# Altium PCB RobotCtrl_Base_Func.PcbDoc
Units mil, origin at the board's own origin, x right, y up, seen from the top; angles counter-clockwise.
Board outline 3937.01 x 3937.01 mil, 4 copper layers (Top Layer, GND1, GND2, Bottom Layer), stack 23.756 mil thick; 88 components, 151 nets, 416 pads, 115 vias.
Unrouted connection lines stored in the file: 1.
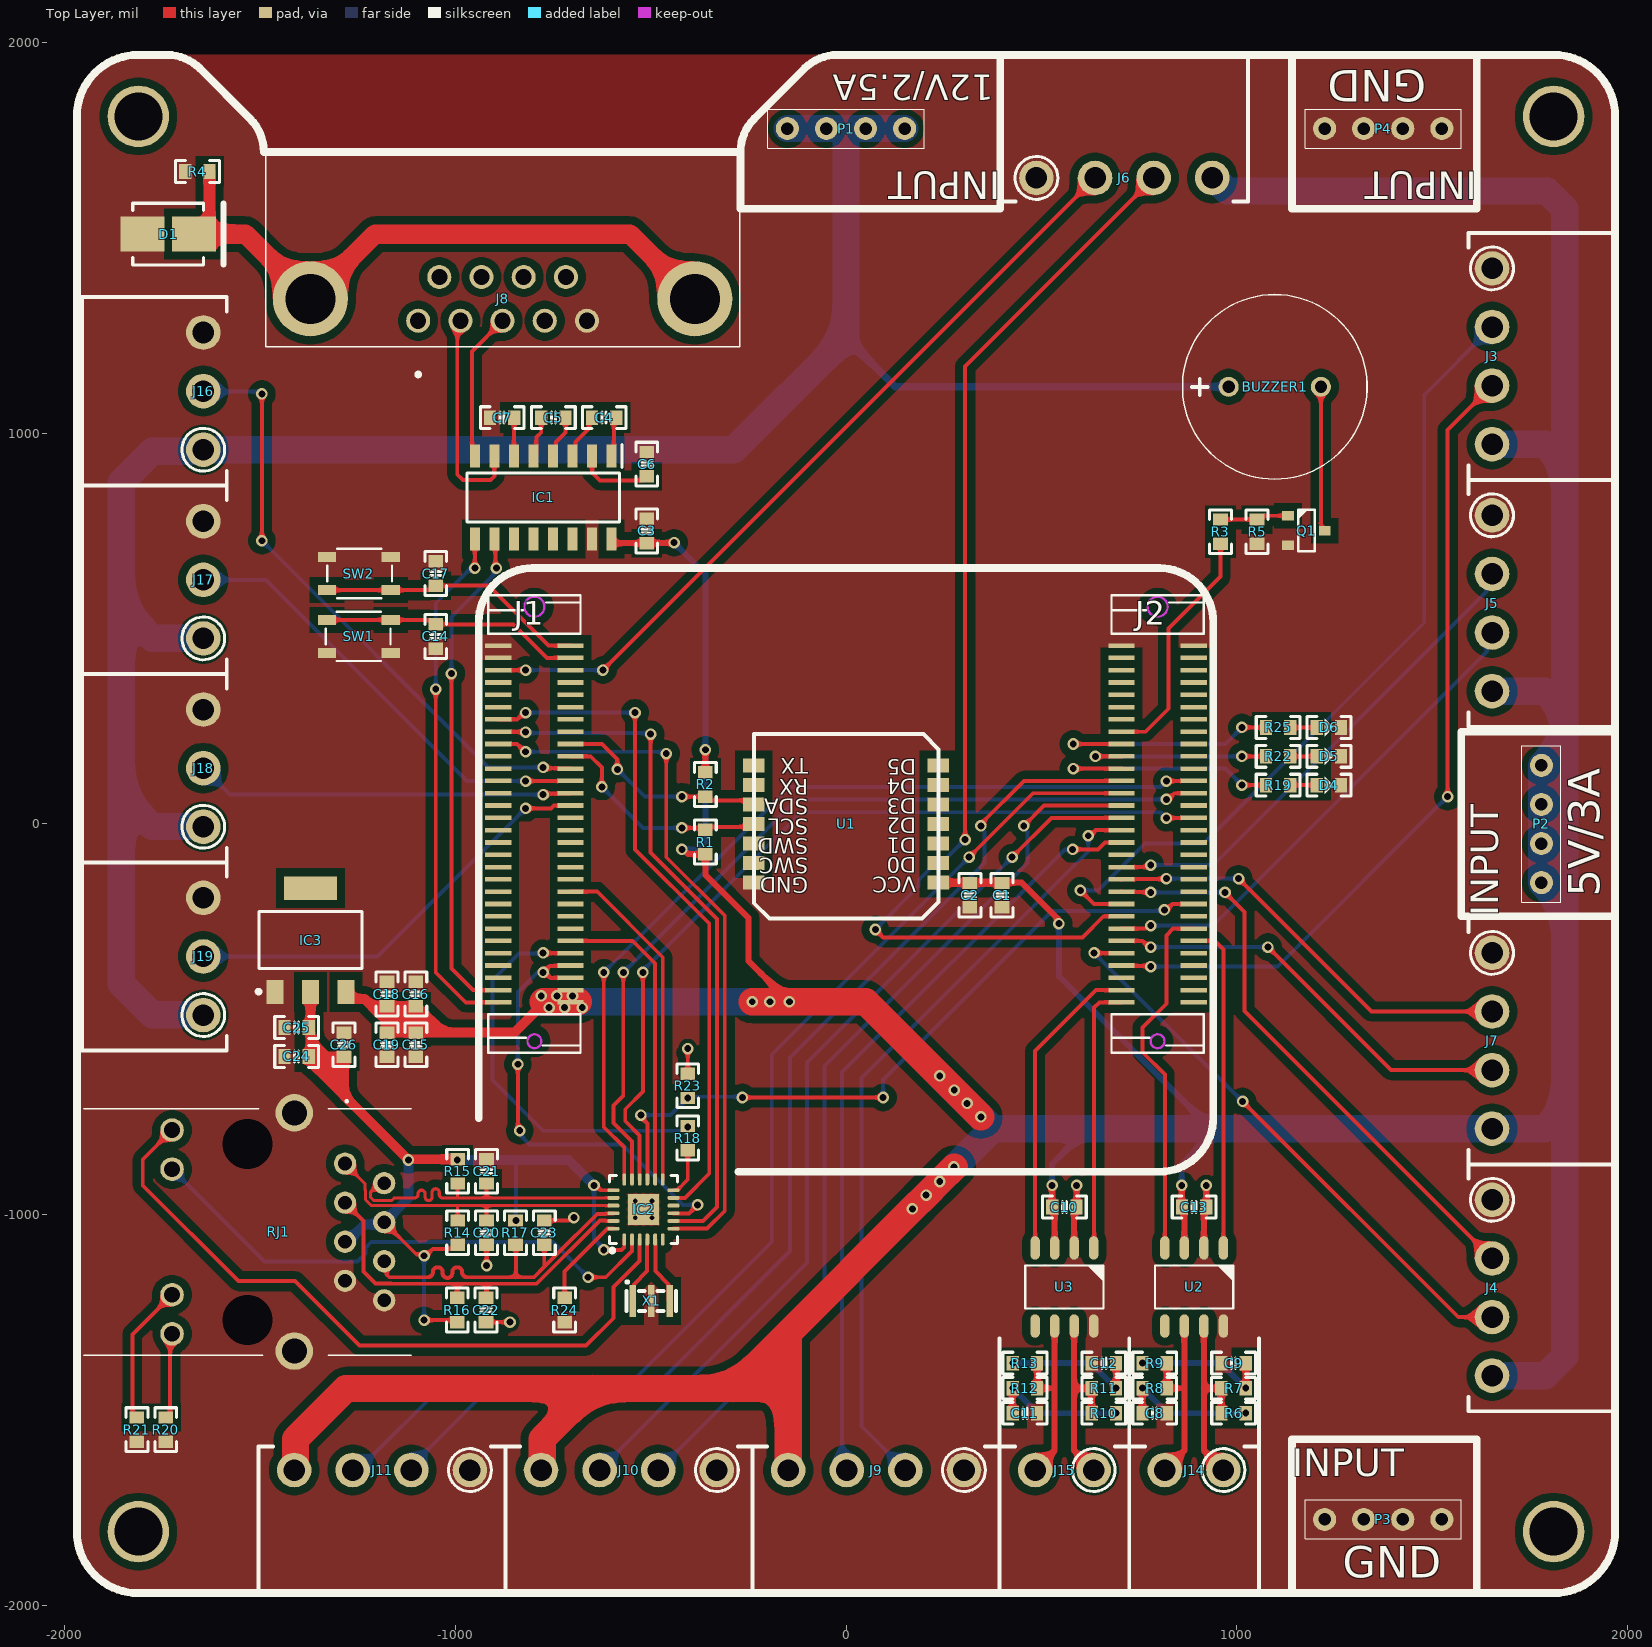
[diagram p0: Top Layer view]
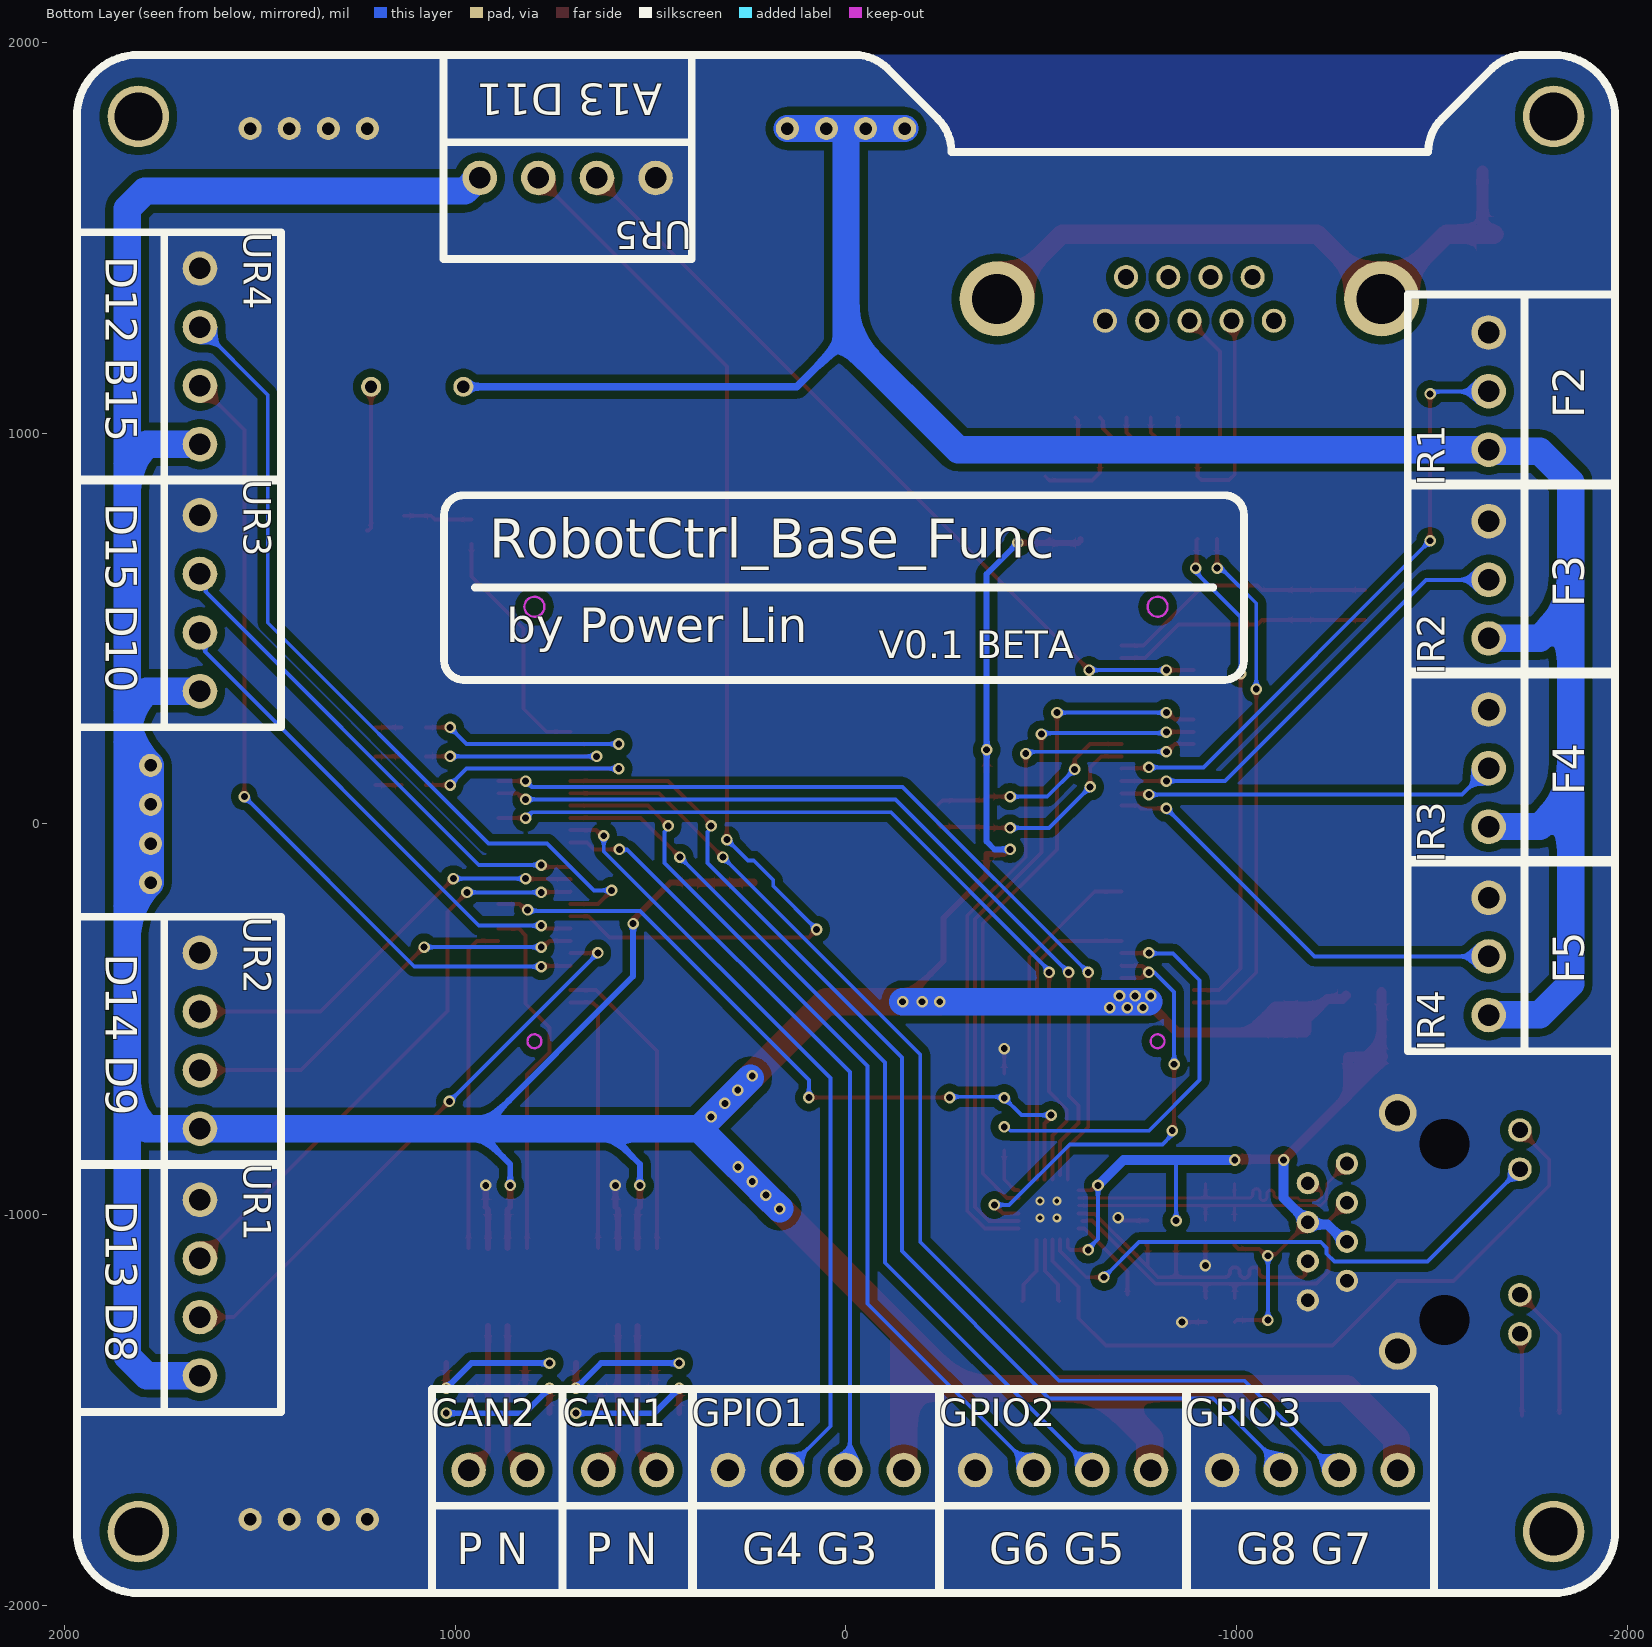
[diagram p1: Bottom Layer view, seen from below]
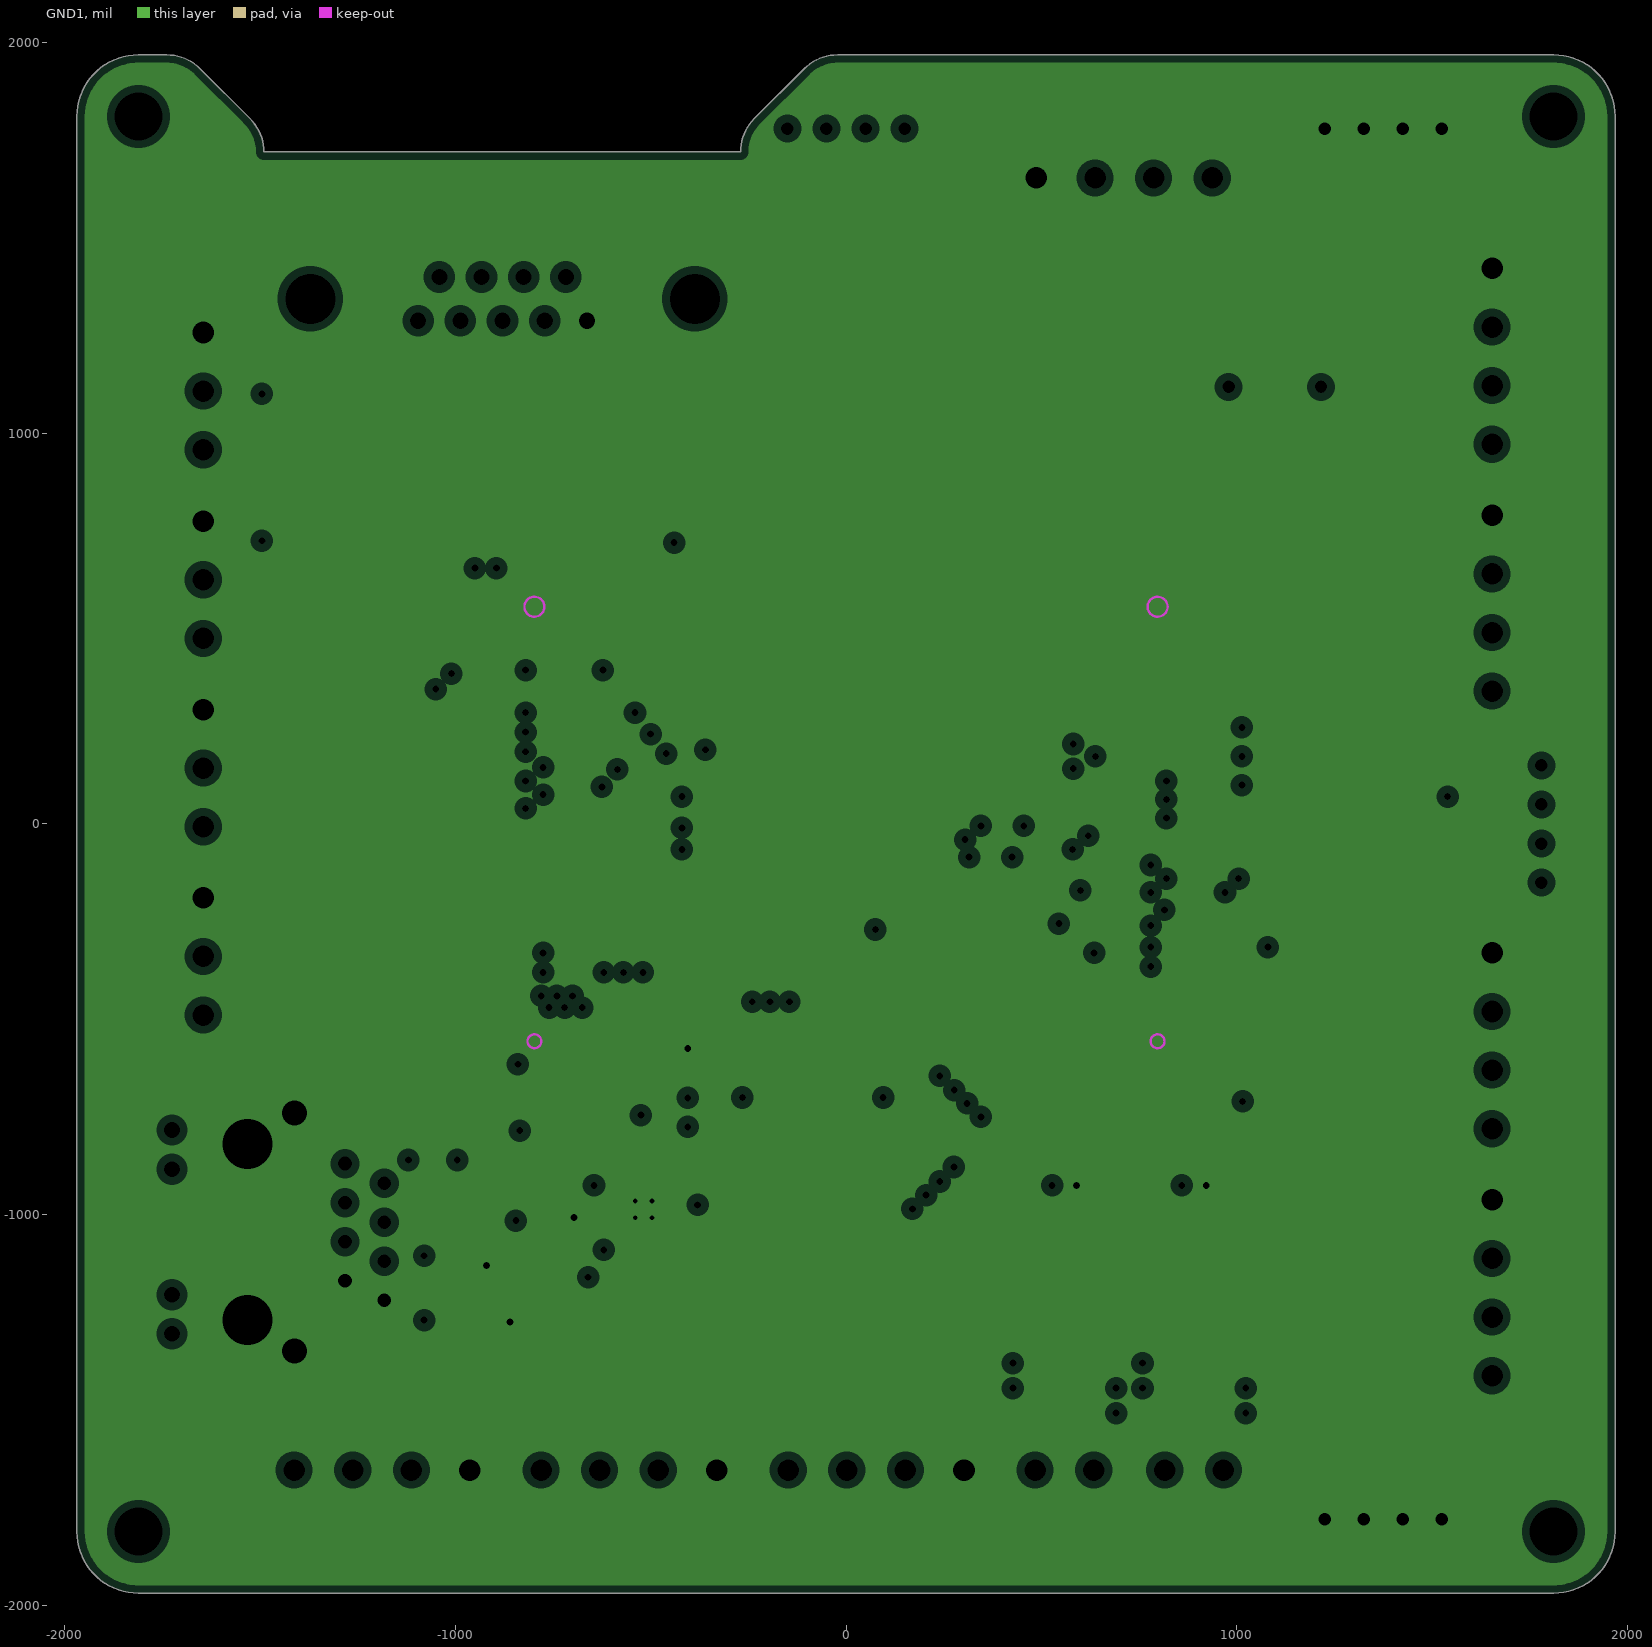
[diagram p2: GND1, clearances drawn from the general rule]
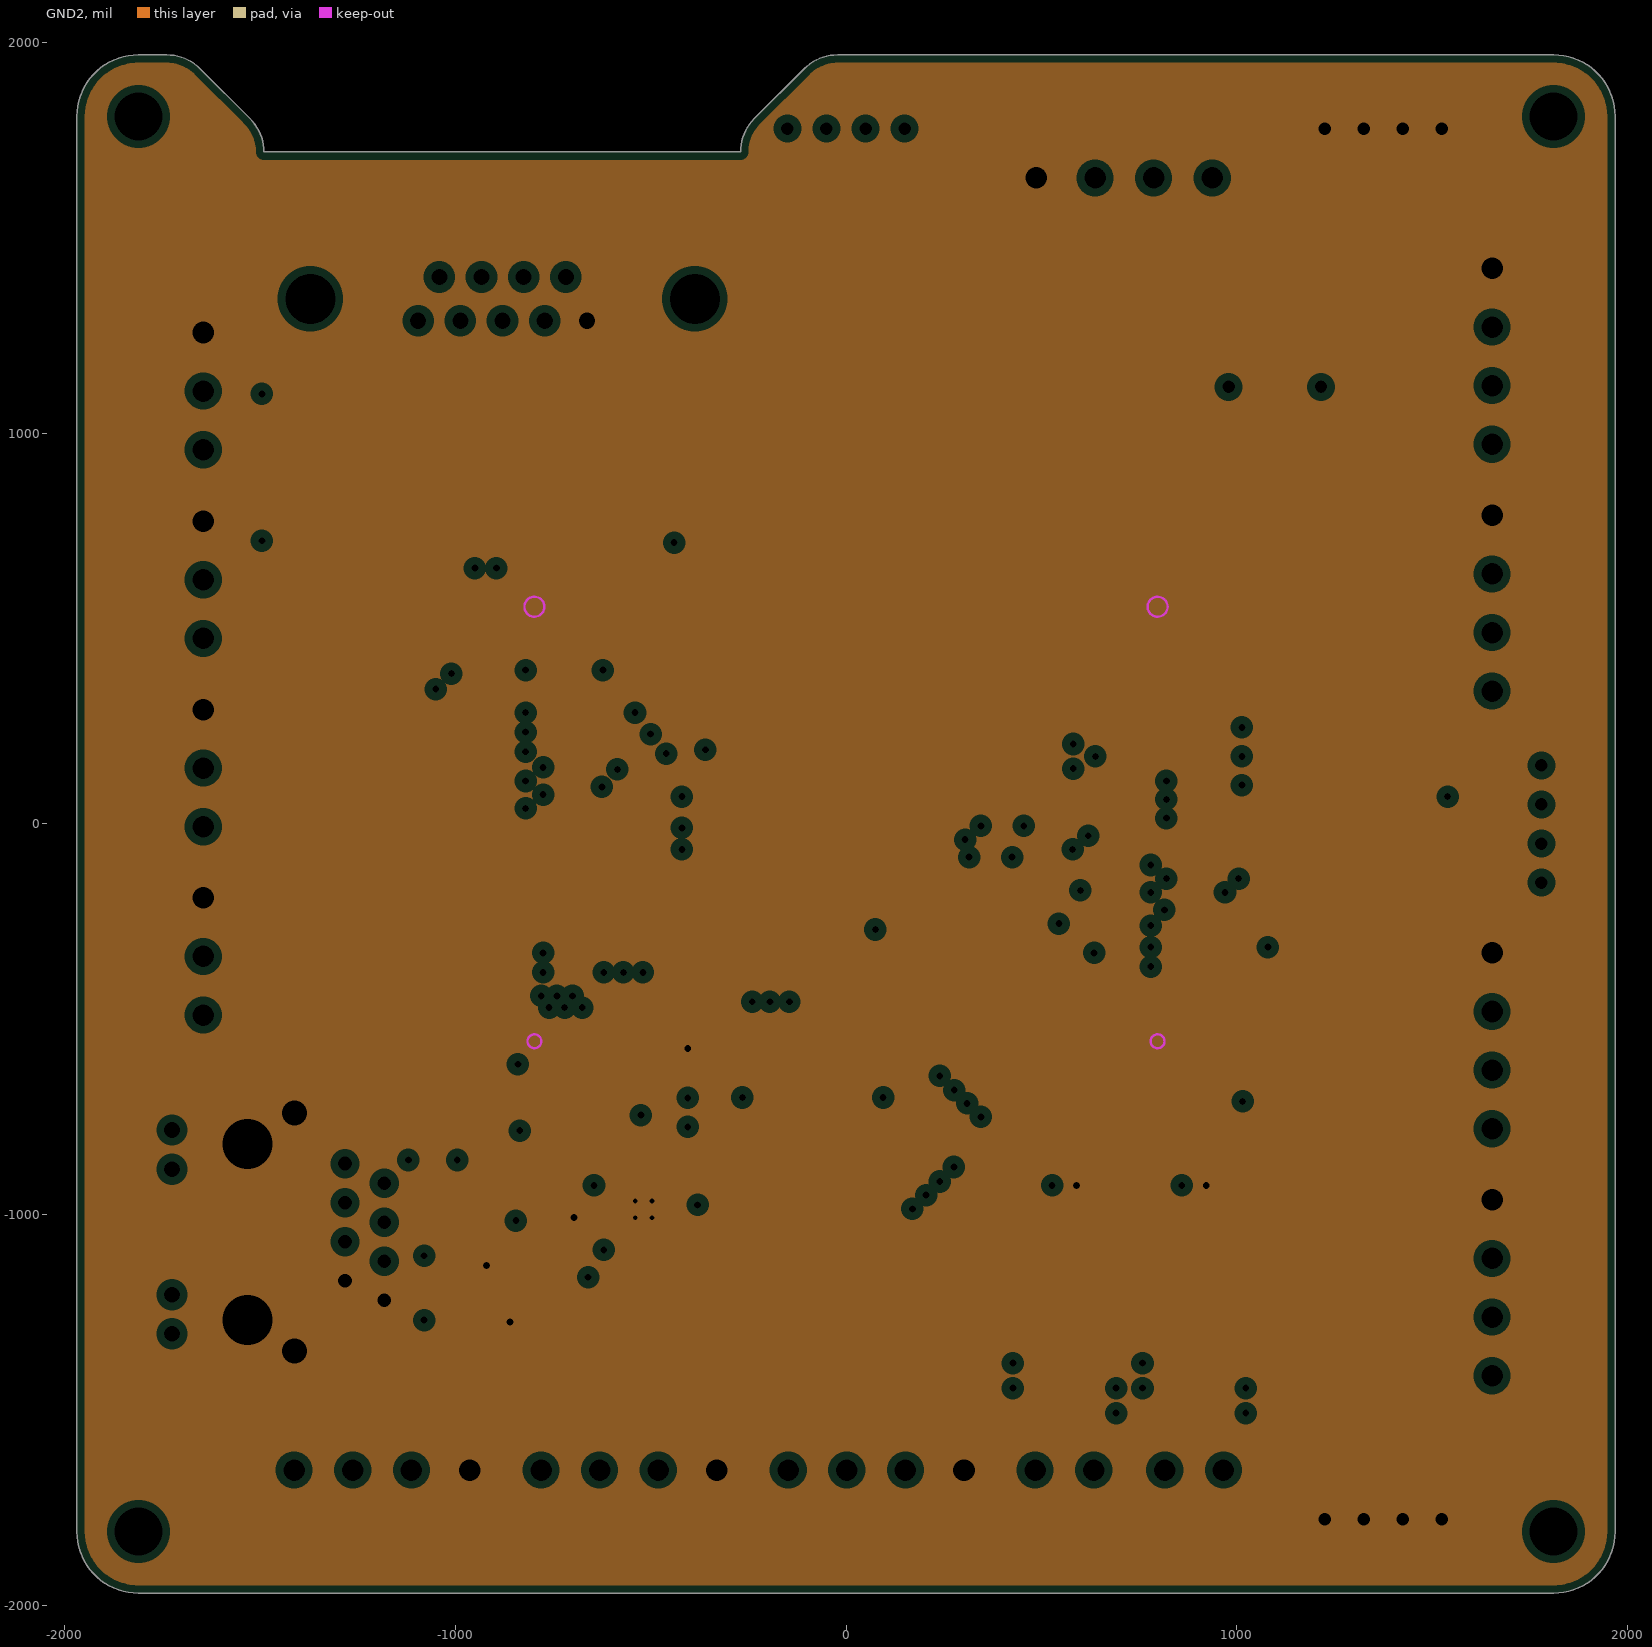
[diagram p3: GND2, clearances drawn from the general rule]
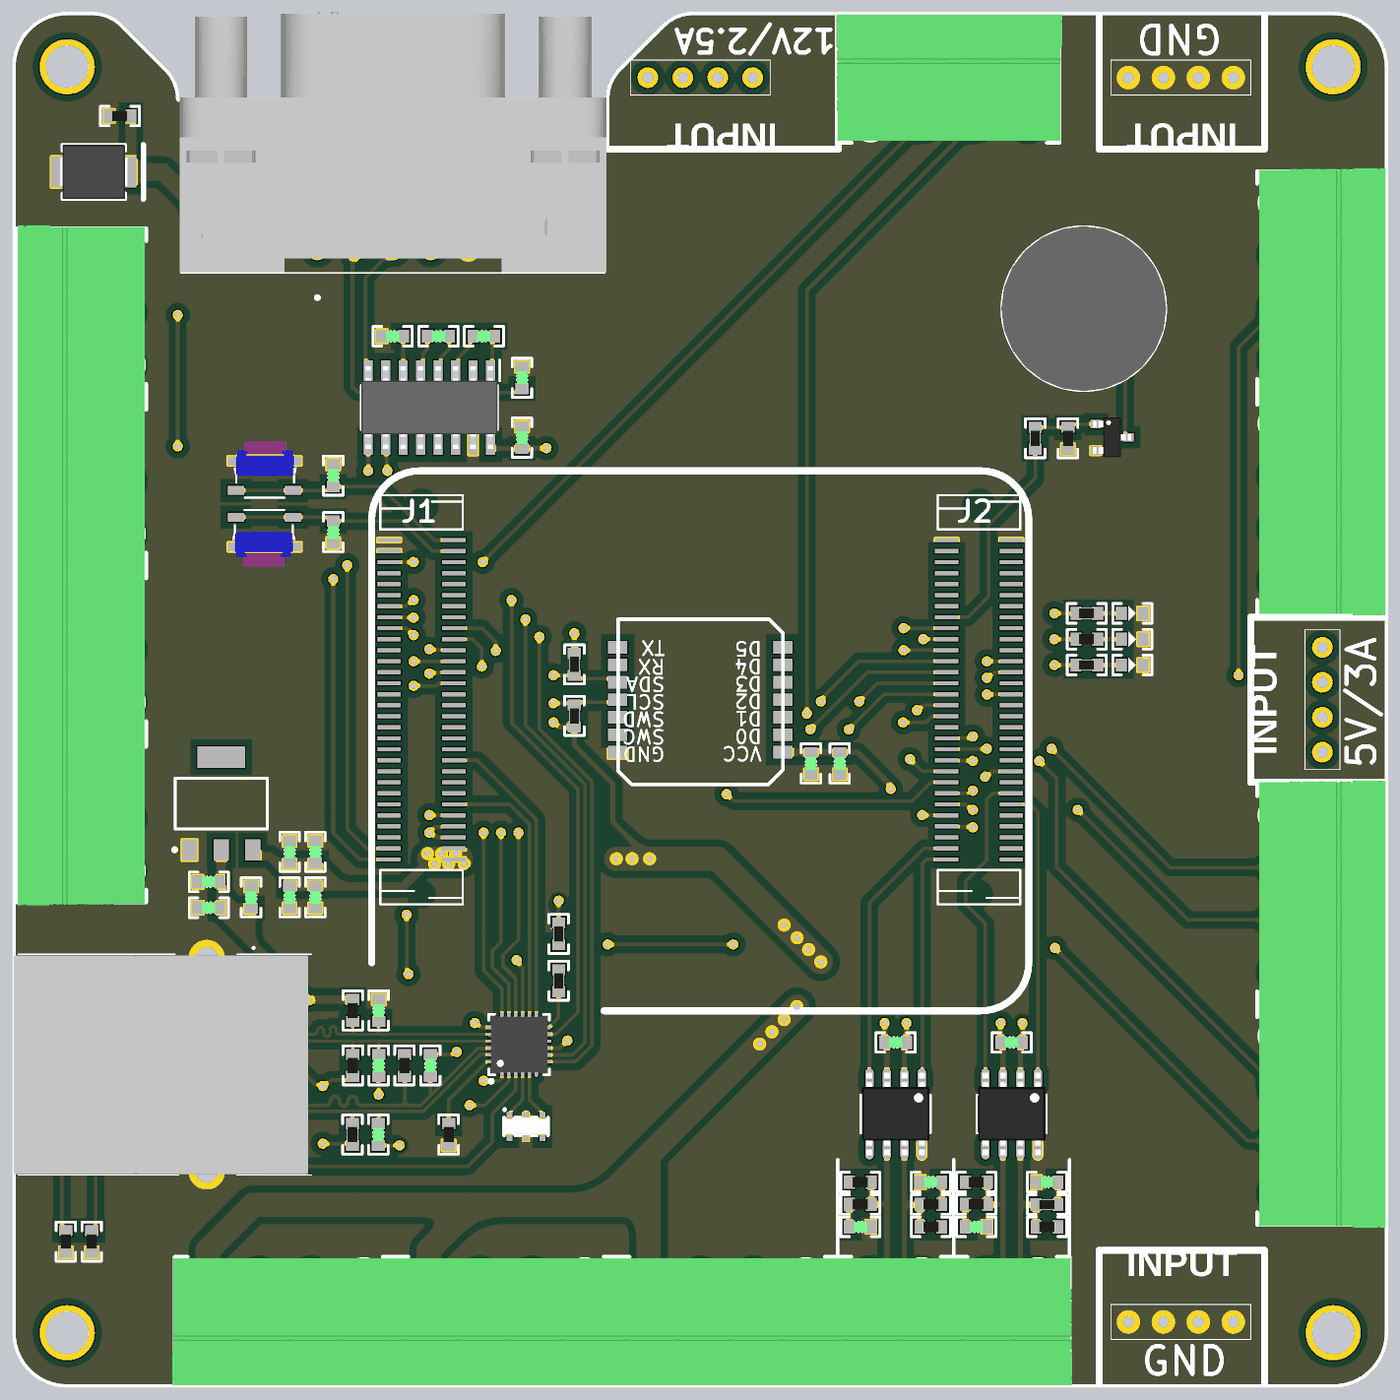
[diagram p4: 3D render of the assembled board from above, using the file's embedded part models]

## Layer stack, top to bottom
Top Solder: solder mask 0.4, Solder Resist, Dk 3.5
Top Layer: signal copper 1.4
Dielectric 2: prepreg 2.8, PP-006, Dk 4.1
GND1: plane copper 1.378, net GND
Dielectric 1: dielectric 12.6, FR-4, Dk 4.8
GND2: plane copper 1.378, net GND
Dielectric 3: prepreg 2.8, PP-006, Dk 4.1
Bottom Layer: signal copper 1.4
Bottom Solder: solder mask 0.4, Solder Resist, Dk 3.5

## Board outline
-1811.02,-1968.5 cw(c-1811.02,-1811.02) -1968.5,-1811.02 -1968.5,1811.02 cw(c-1811.02,1811.02) -1811.02,1968.5 -1738.5,1968.5 cw(c-1738.5,1847.79) -1653.15,1933.15 -1525.36,1805.36 cw(c-1610.71,1720) -1490,1720 -270,1720 cw(c-149.29,1720) -234.64,1805.36 -106.85,1933.15 cw(c-21.5,1847.79) -21.5,1968.5 1811.02,1968.5 cw(c1811.02,1811.02) 1968.5,1811.02 1968.5,-1811.02 cw(c1811.02,-1811.02) 1811.02,-1968.5

## Design rules (kind name [scope] priority, off if disabled: settings)
Clearance [All] p1: gap=20 ignorepadtopadclearanceinfootprint=FALSE except(0: Arc-Arc Arc-Track Arc-SMDPad Arc-Hole Track-Track Track-SMDPad Track-Hole SMDPad-SMDPad SMDPad-Hole THPad-Hole Via-Hole Fill-Hole Poly-Hole Region-Hole Text-Hole; 10: Arc-THPad Arc-Via Arc-Text Track-THPad Track-Via Track-Text SMDPad-THPad SMDPad-Via SMDPad-Text THPad-THPad THPad-Via THPad-Text Via-Via Via-Text Fill-Text Poly-Text Region-Text Text-Text)
DiffPairsRouting [All] p1: maxlimit=10 minlimit=5 mostfreqgap=10 toplayer_minwidth=8 toplayer_maxwidth=15 toplayer_prefwidth=15 bottomlayer_minwidth=8 bottomlayer_maxwidth=15 bottomlayer_prefwidth=15 maxuncoupledlength=500
PlaneClearance [All] p1: clearance=20
PlaneConnect [All] p1: planeconnectstyle=Relief reliefexpansion=20 reliefentries=4 reliefconductorwidth=10 reliefairgap=10
PolygonConnect [All] p1: connectstyle=Direct reliefconductorwidth=10 reliefentries=4 polygonreliefangle="90 Angle" airgapwidth=10
RoutingVias [All] p1: holewidth=17.72 width=29.53 viastyle="Through Hole" minholewidth=17.72 minwidth=29.53 maxholewidth=17.72 maxwidth=29.53
SolderMaskExpansion [All] p1: expansion=4 istentingtop=FALSE
Width [All] p1: maxlimit=150 minlimit=10 preferedwidth=10
27 further rules are at their usual default settings.

## Classes and differential pairs
differential pair TD: +TD_P -TD_N
differential pair RD: +RD_P -RD_N
differential pair CAN2: +CAN2_P -CAN2_N
differential pair CAN1: +CAN1_P -CAN1_N

## Components (designator, comment, footprint, x,y, rotation, side; value= is the part's Value field where it differs from the comment)
BUZZER1 "TMB12A12" DIP,P=7.6mm 1095.5,1119 r0 top
C1 "10uF" CAP-0603 399,-182.2 r270 top
C2 "100nF" CAP-0603 317,-182.2 r270 top
C3 "100nF" CAP-0603 -510,750 r270 top
C4 "100nF" CAP-0603 -618.9,1040 r0 top
C5 "100nF" CAP-0603 -748.9,1040 r0 top
C6 "100nF" CAP-0603 -510,921.1 r270 top
C7 "100nF" CAP-0603 -880,1040 r0 top
C8 "47nF" CAP-0603 790,-1508 r0 top
C9 "47nF" CAP-0603 992.1,-1380 r180 top
C10 "100nF" CAP-0603 559,-980.5 r180 top
C11 "47nF" CAP-0603 458,-1508 r0 top
C12 "47nF" CAP-0603 660.1,-1380 r180 top
C13 "100nF" CAP-0603 891,-980.5 r180 top
C14 "100nF" CAP-0603 -1050,480 r90 top
C15 "10uF" CAP-0603 -1101.12,-565 r90 top
C16 "10uF" CAP-0603 -1101.12,-435.12 r270 top
C17 "100nF" CAP-0603 -1050,641.1 r270 top
C18 "100nF" CAP-0603 -1175,-435.12 r270 top
C19 "100nF" CAP-0603 -1175,-565 r90 top
C20 "10pF" CAP-0603 -920,-1046.1 r90 top
C21 "10pF" CAP-0603 -920,-888.9 r270 top
C22 "10pF" CAP-0603 -921.12,-1243.9 r90 top
C23 "10pF" CAP-0603 -772.23,-1046.1 r270 top
C24 "22nF" CAP-0603 -1406.1,-595 r0 top
C25 "100nF" CAP-0603 -1406.1,-521.12 r0 top
C26 "10uF" CAP-0603 -1285,-565 r270 top
D1 "SMBJ12CA" DO-214AA/SMB -1735,1510 r180 top
D4 "RED" LED-0603 1235.99,99.34 r0 top
D5 "RED" LED-0603 1235.99,173.23 r0 top
D6 "RED" LED-0603 1235.99,247.11 r0 top
IC1 "SP3232EEN-L/TR" SOIC-16_150mil -775,835.9 r270 top
IC2 "LAN8720A-CP-TR" QFN-24-4x4 -518.23,-986.55 r90 top
IC3 "AMS1117-3.3" SOT-223 -1346.55,-304.13 r0 top
J1 "3710F060037G0FR01" 3710M060037G3FT01 -890,-456.69 r180 top locked
J2 "3710F060037G0FR01" 3710M060037G3FT01 704.96,-456.69 r180 top locked
J3 "KF2EDGR-3.81-4P" "FCI 06-381-4PIN" 1783.54,1197 r270 top
J4 "KF2EDGR-3.81-4P" "FCI 06-381-4PIN" 1783.54,-1187 r270 top
J5 "KF2EDGR-3.81-4P" "FCI 06-381-4PIN" 1783.54,565 r270 top
J6 "KF2EDGR-3.81-4P" "FCI 06-381-4PIN" 712.4,1783.54 r0 top
J7 "KF2EDGR-3.81-4P" "FCI 06-381-4PIN" 1783.54,-554.92 r270 top
J8 "D-DMR009PF-D002" "Through Hole,P=2.77mm" -1095,1288.03 r180 top
J9 "KF2EDGR-3.81-4P" "FCI 06-381-4PIN" 77,-1783.5 r180 top
J10 "KF2EDGR-3.81-4P" "FCI 06-381-4PIN" -555.59,-1783.5 r180 top
J11 "KF2EDGR-3.81-4P" "FCI 06-381-4PIN" -1187.5,-1783.5 r180 top
J14 "KF2EDGR-3.81-2P" "FCI 06-381-2PIN" 891,-1653.5 r180 top
J15 "KF2EDGR-3.81-2P" "FCI 06-381-2PIN" 559,-1653.5 r180 top
J16 "KF2EDGR-3.81-3P" "FCI 06-381-3PIN" -1775,1108 r90 top
J17 "KF2EDGR-3.81-3P" "FCI 06-381-3PIN" -1775,625 r90 top
J18 "KF2EDGR-3.81-3P" "FCI 06-381-3PIN" -1775,143 r90 top
J19 "KF2EDGR-3.81-3P" "FCI 06-381-3PIN" -1775,-339 r90 top
P1 "HDR1x4_2.54" HDR1X4_2.54 150,1780 r270 top locked
P2 "HDR1x4_2.54" HDR1X4_2.54 1780,150 r0 top locked
P3 "HDR1x4_2.54" HDR1X4_2.54 1525,-1780 r270 top locked
P4 "HDR1x4_2.54" HDR1X4_2.54 1525,1780 r270 top locked
Q1 "S9013" SOT-23-3 1178.5,751 r180 top
R1 "4.7k" R-0603 -360,-46.1 r270 top
R2 "4.7k" R-0603 -360,101.1 r90 top
R3 "1k" R-0603 958.5,748.15 r90 top
R4 "10k" R-0603 -1660,1670 r0 top
R5 "10k" R-0603 1052,748.15 r90 top
R6 "60R" R-0603 992.1,-1508 r0 top
R7 "60R" R-0603 991.85,-1444.25 r180 top
R8 "60R" R-0603 790,-1444 r0 top
R9 "60R" R-0603 790,-1380 r180 top
R10 "60R" R-0603 660.1,-1508 r0 top
R11 "60R" R-0603 660.1,-1444 r180 top
R12 "60R" R-0603 458,-1444 r0 top
R13 "60R" R-0603 458,-1380 r180 top
R14 "49.9R" R-0603 -993.88,-1046.1 r270 top
R15 "49.9R" R-0603 -993.88,-888.9 r90 top
R16 "49.9R" R-0603 -995,-1243.9 r270 top
R17 "49.9R" R-0603 -846.12,-1046.1 r90 top
R18 "510R" R-0603 -405,-803.9 r90 top
R19 "4.7k" R-0603 1106.1,99.34 r180 top
R20 "510R" R-0603 -1741.12,-1550 r90 top
R21 "510R" R-0603 -1815,-1550 r90 top
R22 "4.7k" R-0603 1106.1,173.23 r180 top
R23 "10k" R-0603 -405,-670 r90 top
R24 "12k" R-0603 -720,-1243.9 r270 top
R25 "4.7k" R-0603 1106.1,247.11 r180 top
RJ1 "HR911105A" HR911105A -1282.09,-869.17 r90 top
SW1 "KEY" KEY-4P-4.2*3.4*2.5 -1246.69,480 r0 top
SW2 "KEY" KEY-4P-4.2*3.4*2.5 -1246.69,641.1 r180 top
U1 "WT931" WT931 0,0 r180 top
U2 "TJA1050" SOIC_8 891,-1185.02 r180 top
U3 "TJA1050" SOIC_8 559,-1185.02 r180 top
X1 "25MHz" SMD3213-3P -498.5,-1220.79 r0 top
